# KiCad board SmallDSPMaxi.kicad_pcb (continued)
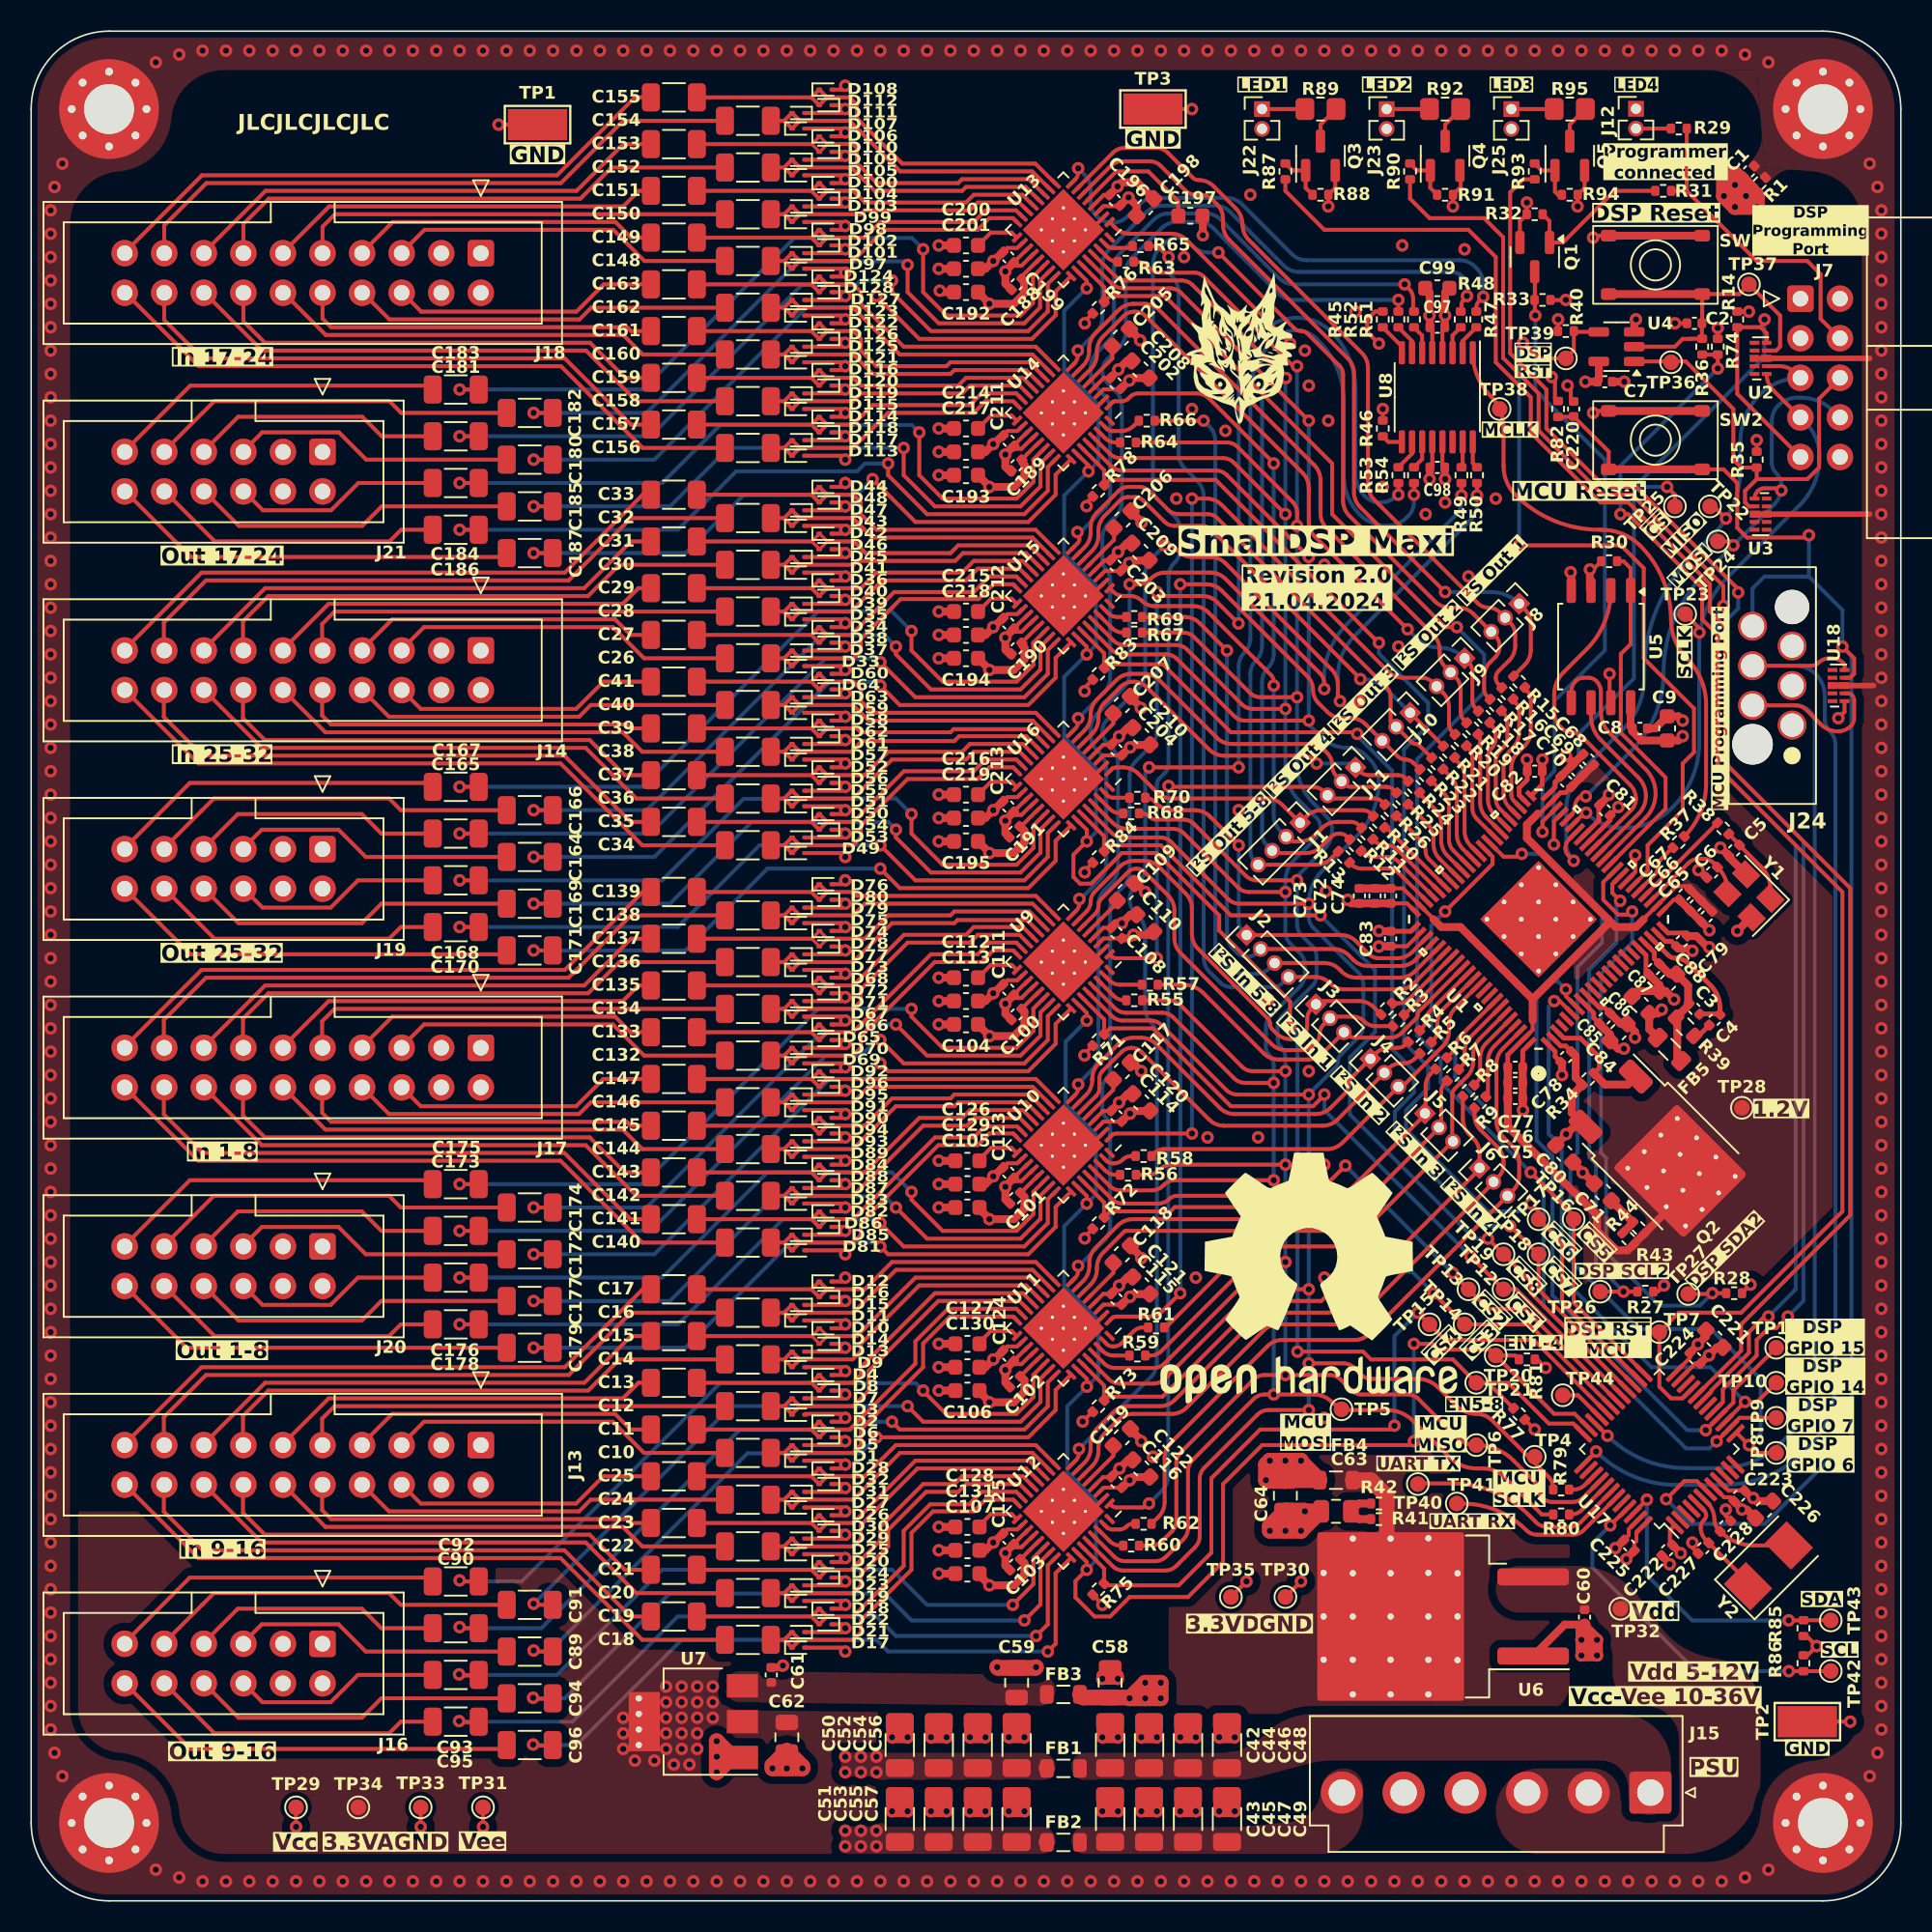
[diagram p0: board, top side]
## Nets (continued)
GND: C1.2 C2.2 C5.2 C6.2 C7.2 C8.2 C9.2 C42.2 C43.2 C44.2 C45.2 C46.2 C47.2 C48.2 C49.2 C50.2 C51.2 C52.2 C53.2 C54.2 C55.2 C56.2 C57.2 C58.2 C59.2 C60.2 C61.2 C62.2 C63.2 C64.2 C65.2 C66.2 C67.2 C68.2 C69.2 C70.2 C71.2 C72.2 C73.2 C74.2 C75.2 C76.2 C77.2 C78.2 C79.2 C80.2 C81.2 C82.2 C83.2 C84.2 C85.2 C86.2 C87.2 C88.2 C97.2 C98.2 C99.2 C100.2 C101.2 C102.2 C103.2 C104.2 C105.2 C106.2 C107.2 C108.2 C109.2 C110.2 C111.2 C112.2 C113.2 C114.2 C115.2 C116.2 C117.2 C118.2 C119.2 C120.2 C121.2 C122.2 C123.2 C124.2 C125.2 C126.2 C127.2 C128.2 C129.2 C130.2 C131.2 C188.2 C189.2 C190.2 C191.2 C192.2 C193.2 C194.2 C195.2 C196.2 C197.2 C198.2 C199.2 C200.2 C201.2 C202.2 C203.2 C204.2 C205.2 C206.2 C207.2 C208.2 C209.2 C210.2 C211.2 C212.2 C213.2 C214.2 C215.2 C216.2 C217.2 C218.2 C219.2 C220.1 C221.2 C222.1 C223.1 C224.1 C225.1 C226.2 C227.2 C228.2 D1.2 D2.2 D3.2 D4.2 D9.2 D10.2 D11.2 D12.2 D17.2 D18.2 D19.2 D20.2 D25.2 D26.2 D27.2 D28.2 D33.2 D34.2 D35.2 D36.2 D41.2 D42.2 D43.2 D44.2 D49.2 D50.2 D51.2 D52.2 D57.2 D58.2 D59.2 D60.2 D65.2 D66.2 D67.2 D68.2 D73.2 D74.2 D75.2 D76.2 D81.2 D82.2 D83.2 D84.2 D89.2 D90.2 D91.2 D92.2 D97.2 D98.2 D99.2 D100.2 D105.2 D106.2 D107.2 D108.2 D113.2 D114.2 D115.2 D116.2 D121.2 D122.2 D123.2 D124.2 J7.10 J12.1 J13.3 J13.4 J14.3 J14.4 J15.4 J15.5 J16.3 J16.4 J17.3 J17.4 J18.3 J18.4 J19.3 J19.4 J20.3 J20.4 J21.3 J21.4 J24.3 J24.5 Q1.2 Q3.2 Q4.2 Q5.2 R1.2 R32.1 R40.2 R74.2 R77.2 R81.2 R88.2 R91.2 R94.2 SW1.1 SW2.1 TP1.1 TP2.1 TP3.1 TP30.1 TP33.1 U1.1 U1.8 U1.18 U1.21 U1.23 U1.29 U1.36 U1.44 U1.45 U1.66 U1.67 U1.88 U1.EP U4.3 U5.4 U6.1 U7.1 U8.5 U8.12 U9.2 U9.4 U9.19 U9.20 U9.33 U10.2 U10.4 U10.19 U10.20 U10.33 U11.2 U11.4 U11.19 U11.20 U11.33 U12.2 U12.4 U12.19 U12.20 U12.33 U13.2 U13.4 U13.19 U13.20 U13.33 U14.2 U14.4 U14.19 U14.20 U14.33 U15.2 U15.4 U15.19 U15.20 U15.33 U16.2 U16.4 U16.19 U16.20 U16.33 U17.8 U17.23 U17.47 Y1.2 Y1.4
VCC: C50.1 C52.1 C54.1 C56.1 FB1.2 J13.2 J14.2 J16.2 J17.2 J18.2 J19.2 J20.2 J21.2 TP29.1
VEE: C51.1 C53.1 C55.1 C57.1 FB2.2 J13.1 J14.1 J16.1 J17.1 J18.1 J19.1 J20.1 J21.1 TP31.1
/Codecs 1-4/Analog Inputs1/In L1+: C132.1 J17.5
/Codecs 1-4/Analog Inputs1/In L1-: C133.1 J17.7
/Codecs 1-4/Analog Inputs1/In L2+: C136.1 J17.13
/Codecs 1-4/Analog Inputs1/In L2-: C137.1 J17.15
/Codecs 1-4/Analog Inputs1/In L3+: C140.1 J17.20
/Codecs 1-4/Analog Inputs1/In L3-: C141.1 J17.18
/Codecs 1-4/Analog Inputs1/In L4+: C144.1 J17.12
/Codecs 1-4/Analog Inputs1/In L4-: C145.1 J17.10
/Codecs 1-4/Analog Inputs1/In R1+: C134.1 J17.9
/Codecs 1-4/Analog Inputs1/In R1-: C135.1 J17.11
/Codecs 1-4/Analog Inputs1/In R2+: C138.1 J17.17
/Codecs 1-4/Analog Inputs1/In R2-: C139.1 J17.19
/Codecs 1-4/Analog Inputs1/In R3+: C142.1 J17.16
/Codecs 1-4/Analog Inputs1/In R3-: C143.1 J17.14
/Codecs 1-4/Analog Inputs1/In R4+: C146.1 J17.8
/Codecs 1-4/Analog Inputs1/In R4-: C147.1 J17.6
/Codecs 1-4/Analog Inputs2/In L1+: C10.1 J13.5
/Codecs 1-4/Analog Inputs2/In L1-: C11.1 J13.7
/Codecs 1-4/Analog Inputs2/In L2+: C14.1 J13.13
/Codecs 1-4/Analog Inputs2/In L2-: C15.1 J13.15
/Codecs 1-4/Analog Inputs2/In L3+: C18.1 J13.20
/Codecs 1-4/Analog Inputs2/In L3-: C19.1 J13.18
/Codecs 1-4/Analog Inputs2/In L4+: C22.1 J13.12
/Codecs 1-4/Analog Inputs2/In L4-: C23.1 J13.10
/Codecs 1-4/Analog Inputs2/In R1+: C12.1 J13.9
/Codecs 1-4/Analog Inputs2/In R1-: C13.1 J13.11
/Codecs 1-4/Analog Inputs2/In R2+: C16.1 J13.17
/Codecs 1-4/Analog Inputs2/In R2-: C17.1 J13.19
/Codecs 1-4/Analog Inputs2/In R3+: C20.1 J13.16
/Codecs 1-4/Analog Inputs2/In R3-: C21.1 J13.14
/Codecs 1-4/Analog Inputs2/In R4+: C24.1 J13.8
/Codecs 1-4/Analog Inputs2/In R4-: C25.1 J13.6
/Codecs 1-4/Analog Outputs1/Out L1: C175.1 J20.11
/Codecs 1-4/Analog Outputs1/Out L2: C173.1 J20.7
/Codecs 1-4/Analog Outputs1/Out L3: C176.1 J20.6
/Codecs 1-4/Analog Outputs1/Out L4: C178.1 J20.10
/Codecs 1-4/Analog Outputs1/Out R1: C174.1 J20.9
/Codecs 1-4/Analog Outputs1/Out R2: C172.1 J20.5
/Codecs 1-4/Analog Outputs1/Out R3: C177.1 J20.8
/Codecs 1-4/Analog Outputs1/Out R4: C179.1 J20.12
/Codecs 1-4/Analog Outputs2/Out L1: C92.1 J16.11
/Codecs 1-4/Analog Outputs2/Out L2: C90.1 J16.7
/Codecs 1-4/Analog Outputs2/Out L3: C93.1 J16.6
/Codecs 1-4/Analog Outputs2/Out L4: C95.1 J16.10
/Codecs 1-4/Analog Outputs2/Out R1: C91.1 J16.9
/Codecs 1-4/Analog Outputs2/Out R2: C89.1 J16.5
/Codecs 1-4/Analog Outputs2/Out R3: C94.1 J16.8
/Codecs 1-4/Analog Outputs2/Out R4: C96.1 J16.12
/Codecs 1-4/In L1+: C132.2 D65.1 D69.2 U9.16
/Codecs 1-4/In L1-: C133.2 D66.1 D70.2 U9.15
/Codecs 1-4/In L2+: C136.2 D73.1 D77.2 U9.12
/Codecs 1-4/In L2-: C137.2 D74.1 D78.2 U9.11
/Codecs 1-4/In L3+: C140.2 D81.1 D85.2 U10.16
/Codecs 1-4/In L3-: C141.2 D82.1 D86.2 U10.15
/Codecs 1-4/In L4+: C144.2 D89.1 D93.2 U10.12
/Codecs 1-4/In L4-: C145.2 D90.1 D94.2 U10.11
/Codecs 1-4/In L5+: C10.2 D1.1 D5.2 U11.16
/Codecs 1-4/In L5-: C11.2 D2.1 D6.2 U11.15
/Codecs 1-4/In L6+: C14.2 D9.1 D13.2 U11.12
/Codecs 1-4/In L6-: C15.2 D10.1 D14.2 U11.11
/Codecs 1-4/In L7+: C18.2 D17.1 D21.2 U12.16
/Codecs 1-4/In L7-: C19.2 D18.1 D22.2 U12.15
/Codecs 1-4/In L8+: C22.2 D25.1 D29.2 U12.12
/Codecs 1-4/In L8-: C23.2 D26.1 D30.2 U12.11
/Codecs 1-4/In R1+: C134.2 D67.1 D71.2 U9.14
/Codecs 1-4/In R1-: C135.2 D68.1 D72.2 U9.13
/Codecs 1-4/In R2+: C138.2 D75.1 D79.2 U9.10
/Codecs 1-4/In R2-: C139.2 D76.1 D80.2 U9.9
/Codecs 1-4/In R3+: C142.2 D83.1 D87.2 U10.14
/Codecs 1-4/In R3-: C143.2 D84.1 D88.2 U10.13
/Codecs 1-4/In R4+: C146.2 D91.1 D95.2 U10.10
/Codecs 1-4/In R4-: C147.2 D92.1 D96.2 U10.9
/Codecs 1-4/In R5+: C12.2 D3.1 D7.2 U11.14
/Codecs 1-4/In R5-: C13.2 D4.1 D8.2 U11.13
/Codecs 1-4/In R6+: C16.2 D11.1 D15.2 U11.10
/Codecs 1-4/In R6-: C17.2 D12.1 D16.2 U11.9
/Codecs 1-4/In R7+: C20.2 D19.1 D23.2 U12.14
/Codecs 1-4/In R7-: C21.2 D20.1 D24.2 U12.13
/Codecs 1-4/In R8+: C24.2 D27.1 D31.2 U12.10
/Codecs 1-4/In R8-: C25.2 D28.1 D32.2 U12.9
/Codecs 1-4/Out L1: C175.2 U9.22
/Codecs 1-4/Out L2: C173.2 U9.24
/Codecs 1-4/Out L3: C176.2 U10.22
/Codecs 1-4/Out L4: C178.2 U10.24
/Codecs 1-4/Out L5: C92.2 U11.22
/Codecs 1-4/Out L6: C90.2 U11.24
/Codecs 1-4/Out L7: C93.2 U12.22
/Codecs 1-4/Out L8: C95.2 U12.24
/Codecs 1-4/Out R1: C174.2 U9.23
/Codecs 1-4/Out R2: C172.2 U9.25
/Codecs 1-4/Out R3: C177.2 U10.23
/Codecs 1-4/Out R4: C179.2 U10.25
/Codecs 1-4/Out R5: C91.2 U11.23
/Codecs 1-4/Out R6: C89.2 U11.25
/Codecs 1-4/Out R7: C94.2 U12.23
/Codecs 1-4/Out R8: C96.2 U12.25
/Codecs 5-8/Analog Inputs1/In L1+: C148.1 J18.5
/Codecs 5-8/Analog Inputs1/In L1-: C149.1 J18.7
/Codecs 5-8/Analog Inputs1/In L2+: C152.1 J18.13
/Codecs 5-8/Analog Inputs1/In L2-: C153.1 J18.15
/Codecs 5-8/Analog Inputs1/In L3+: C156.1 J18.20
/Codecs 5-8/Analog Inputs1/In L3-: C157.1 J18.18
/Codecs 5-8/Analog Inputs1/In L4+: C160.1 J18.12
/Codecs 5-8/Analog Inputs1/In L4-: C161.1 J18.10
/Codecs 5-8/Analog Inputs1/In R1+: C150.1 J18.9
/Codecs 5-8/Analog Inputs1/In R1-: C151.1 J18.11
/Codecs 5-8/Analog Inputs1/In R2+: C154.1 J18.17
/Codecs 5-8/Analog Inputs1/In R2-: C155.1 J18.19
/Codecs 5-8/Analog Inputs1/In R3+: C158.1 J18.16
/Codecs 5-8/Analog Inputs1/In R3-: C159.1 J18.14
/Codecs 5-8/Analog Inputs1/In R4+: C162.1 J18.8
/Codecs 5-8/Analog Inputs1/In R4-: C163.1 J18.6
/Codecs 5-8/Analog Inputs2/In L1+: C26.1 J14.5
/Codecs 5-8/Analog Inputs2/In L1-: C27.1 J14.7
/Codecs 5-8/Analog Inputs2/In L2+: C30.1 J14.13
/Codecs 5-8/Analog Inputs2/In L2-: C31.1 J14.15
/Codecs 5-8/Analog Inputs2/In L3+: C34.1 J14.20
/Codecs 5-8/Analog Inputs2/In L3-: C35.1 J14.18
/Codecs 5-8/Analog Inputs2/In L4+: C38.1 J14.12
/Codecs 5-8/Analog Inputs2/In L4-: C39.1 J14.10
/Codecs 5-8/Analog Inputs2/In R1+: C28.1 J14.9
/Codecs 5-8/Analog Inputs2/In R1-: C29.1 J14.11
/Codecs 5-8/Analog Inputs2/In R2+: C32.1 J14.17
/Codecs 5-8/Analog Inputs2/In R2-: C33.1 J14.19
/Codecs 5-8/Analog Inputs2/In R3+: C36.1 J14.16
/Codecs 5-8/Analog Inputs2/In R3-: C37.1 J14.14
/Codecs 5-8/Analog Inputs2/In R4+: C40.1 J14.8
/Codecs 5-8/Analog Inputs2/In R4-: C41.1 J14.6
/Codecs 5-8/Analog Outputs1/Out L1: C183.1 J21.11
/Codecs 5-8/Analog Outputs1/Out L2: C181.1 J21.7
/Codecs 5-8/Analog Outputs1/Out L3: C184.1 J21.6
/Codecs 5-8/Analog Outputs1/Out L4: C186.1 J21.10
/Codecs 5-8/Analog Outputs1/Out R1: C182.1 J21.9
/Codecs 5-8/Analog Outputs1/Out R2: C180.1 J21.5
/Codecs 5-8/Analog Outputs1/Out R3: C185.1 J21.8
/Codecs 5-8/Analog Outputs1/Out R4: C187.1 J21.12
/Codecs 5-8/Analog Outputs2/Out L1: C167.1 J19.11
/Codecs 5-8/Analog Outputs2/Out L2: C165.1 J19.7
/Codecs 5-8/Analog Outputs2/Out L3: C168.1 J19.6
/Codecs 5-8/Analog Outputs2/Out L4: C170.1 J19.10
/Codecs 5-8/Analog Outputs2/Out R1: C166.1 J19.9
/Codecs 5-8/Analog Outputs2/Out R2: C164.1 J19.5
/Codecs 5-8/Analog Outputs2/Out R3: C169.1 J19.8
/Codecs 5-8/Analog Outputs2/Out R4: C171.1 J19.12
/Codecs 5-8/In L1+: C148.2 D97.1 D101.2 U13.16
/Codecs 5-8/In L1-: C149.2 D98.1 D102.2 U13.15
/Codecs 5-8/In L2+: C152.2 D105.1 D109.2 U13.12
/Codecs 5-8/In L2-: C153.2 D106.1 D110.2 U13.11
/Codecs 5-8/In L3+: C156.2 D113.1 D117.2 U14.16
/Codecs 5-8/In L3-: C157.2 D114.1 D118.2 U14.15
/Codecs 5-8/In L4+: C160.2 D121.1 D125.2 U14.12
/Codecs 5-8/In L4-: C161.2 D122.1 D126.2 U14.11
/Codecs 5-8/In L5+: C26.2 D33.1 D37.2 U15.16
/Codecs 5-8/In L5-: C27.2 D34.1 D38.2 U15.15
/Codecs 5-8/In L6+: C30.2 D41.1 D45.2 U15.12
/Codecs 5-8/In L6-: C31.2 D42.1 D46.2 U15.11
/Codecs 5-8/In L7+: C34.2 D49.1 D53.2 U16.16
/Codecs 5-8/In L7-: C35.2 D50.1 D54.2 U16.15
/Codecs 5-8/In L8+: C38.2 D57.1 D61.2 U16.12
/Codecs 5-8/In L8-: C39.2 D58.1 D62.2 U16.11
/Codecs 5-8/In R1+: C150.2 D99.1 D103.2 U13.14
/Codecs 5-8/In R1-: C151.2 D100.1 D104.2 U13.13
/Codecs 5-8/In R2+: C154.2 D107.1 D111.2 U13.10
/Codecs 5-8/In R2-: C155.2 D108.1 D112.2 U13.9
/Codecs 5-8/In R3+: C158.2 D115.1 D119.2 U14.14
/Codecs 5-8/In R3-: C159.2 D116.1 D120.2 U14.13
/Codecs 5-8/In R4+: C162.2 D123.1 D127.2 U14.10
/Codecs 5-8/In R4-: C163.2 D124.1 D128.2 U14.9
/Codecs 5-8/In R5+: C28.2 D35.1 D39.2 U15.14
/Codecs 5-8/In R5-: C29.2 D36.1 D40.2 U15.13
/Codecs 5-8/In R6+: C32.2 D43.1 D47.2 U15.10
/Codecs 5-8/In R6-: C33.2 D44.1 D48.2 U15.9
/Codecs 5-8/In R7+: C36.2 D51.1 D55.2 U16.14
/Codecs 5-8/In R7-: C37.2 D52.1 D56.2 U16.13
/Codecs 5-8/In R8+: C40.2 D59.1 D63.2 U16.10
/Codecs 5-8/In R8-: C41.2 D60.1 D64.2 U16.9
/Codecs 5-8/Out L1: C183.2 U13.22
/Codecs 5-8/Out L2: C181.2 U13.24
/Codecs 5-8/Out L3: C184.2 U14.22
/Codecs 5-8/Out L4: C186.2 U14.24
/Codecs 5-8/Out L5: C167.2 U15.22
/Codecs 5-8/Out L6: C165.2 U15.24
/Codecs 5-8/Out L7: C168.2 U16.22
/Codecs 5-8/Out L8: C170.2 U16.24
/Codecs 5-8/Out R1: C182.2 U13.23
/Codecs 5-8/Out R2: C180.2 U13.25
/Codecs 5-8/Out R3: C185.2 U14.23
/Codecs 5-8/Out R4: C187.2 U14.25
/Codecs 5-8/Out R5: C166.2 U15.23
/Codecs 5-8/Out R6: C164.2 U15.25
/Codecs 5-8/Out R7: C169.2 U16.23
/Codecs 5-8/Out R8: C171.2 U16.25
/DSP BCLK In 1: J3.1 R2.1 U9.7
/DSP BCLK In 2: J4.1 R4.1 U10.7
/DSP BCLK In 3: J5.1 R6.1 U11.7
/DSP BCLK In 4: J6.1 R8.1 U12.7
/DSP BCLK Out 1: J8.2 R16.2 U13.7
/DSP BCLK Out 2: J9.2 R19.2 U14.7
/DSP BCLK Out 3: J10.2 R22.2 U15.7
/DSP BCLK Out 4: J11.2 R25.2 U16.7
/DSP GPIO6: TP8.1 U1.53 U17.13
/DSP GPIO7: TP9.1 U1.54 U17.14
/DSP GPIO14: TP10.1 U1.6 U17.15
/DSP GPIO15: TP11.1 U1.7 U17.16
/DSP I²S SDI 1: J3.3 R57.2 U1.75
/DSP I²S SDI 2: J4.3 R58.2 U1.78
/DSP I²S SDI 3: J5.3 R61.2 U1.83
/DSP I²S SDI 4: J6.3 R62.2 U1.86
/DSP I²S SDI 5: J2.4 R65.2 U1.72
/DSP I²S SDI 6: J2.3 R66.2 U1.71
/DSP I²S SDI 7: J2.2 R69.2 U1.70
/DSP I²S SDI 8: J2.1 R70.2 U1.69
/DSP I²S SDO 1: J8.3 R17.2 U9.1
/DSP I²S SDO 2: J9.3 R20.2 U10.1
/DSP I²S SDO 3: J10.3 R23.2 U11.1
/DSP I²S SDO 4: J11.3 R26.2 U12.1
/DSP I²S SDO 5: J1.4 R13.1 U13.1
/DSP I²S SDO 6: J1.3 R12.1 U14.1
/DSP I²S SDO 7: J1.2 R11.1 U15.1
/DSP I²S SDO 8: J1.1 R10.1 U16.1
/DSP LRCK In 1: J3.2 R3.1 U9.6
/DSP LRCK In 2: J4.2 R5.1 U10.6
/DSP LRCK In 3: J5.2 R7.1 U11.6
/DSP LRCK In 4: J6.2 R9.1 U12.6
/DSP LRCK Out 1: J8.1 R15.2 U13.6
/DSP LRCK Out 2: J9.1 R18.2 U14.6
/DSP LRCK Out 3: J10.1 R21.2 U15.6
/DSP LRCK Out 4: J11.1 R24.2 U16.6
/DSP MCLK: R37.2 TP38.1 U8.1
/DSP MISO: U1.35 U5.2
/DSP MOSI: U1.33 U5.5
/DSP SCLK: U1.34 U5.6
/EN Codec 1-4: R81.1 TP20.1 U9.26 U10.26 U11.26 U12.26 U17.35
/EN Codec 5-8: R77.1 TP21.1 U13.26 U14.26 U15.26 U16.26 U17.36
/MCLK 1: R49.2 U9.8
/MCLK 2: R50.2 U10.8
/MCLK 3: R53.2 U11.8
/MCLK 4: R54.2 U12.8
/MCLK 5: R47.2 U13.8
/MCLK 6: R48.2 U14.8
/MCLK 7: R51.2 U15.8
/MCLK 8: R52.2 U16.8
/MCU MISO: R55.1 R56.1 R59.1 R60.1 R63.1 R64.1 R67.1 R68.1 TP6.1 U17.40
/MCU MOSI: R80.1 TP5.1 U9.29 U10.29 U11.29 U12.29 U13.29 U14.29 U15.29 U16.29
/MCU SCLK: R79.1 TP4.1 U9.28 U10.28 U11.28 U12.28 U13.28 U14.28 U15.28 U16.28
/MCU/LED1: R87.1 U17.20
/MCU/LED2: R90.1 U17.19
/MCU/LED3: R93.1 U17.17
/MCU/SCL: R86.2 TP42.1 U17.45
/MCU/SDA: R85.2 TP43.1 U17.46
/MCU/SWCLK: J24.4 U17.37 U18.5
/MCU/SWDIO: J24.2 U17.34 U18.2
/MCU/~{RST}: C220.2 J24.6 R82.2 SW2.2 U17.7 U18.4
/PRGM MISO: J7.5 TP22.1 U1.38 U2.2
/PRGM MOSI: J7.8 TP24.1 U1.40 U3.1
/PRGM SCLK: J7.7 TP23.1 U1.39 U2.1
/~{CS Codec 1}: R71.2 TP12.1 U9.27 U17.29
/~{CS Codec 2}: R72.2 TP13.1 U10.27 U17.30
/~{CS Codec 3}: R73.2 TP14.1 U11.27 U17.31
/~{CS Codec 4}: R75.2 TP15.1 U12.27 U17.32
/~{CS Codec 5}: R76.2 TP16.1 U13.27 U17.25
/~{CS Codec 6}: R78.2 TP17.1 U14.27 U17.26
/~{CS Codec 7}: R83.2 TP18.1 U15.27 U17.27
/~{CS Codec 8}: R84.2 TP19.1 U16.27 U17.28
/~{CS EEPROM}: R30.2 U1.32 U5.1
/~{DSP RST MCU}: R36.1 R74.1 TP7.1 U17.21
/~{DSP RST PGRM}: J7.6 R35.1 TP36.1 U3.2 U4.1
/~{DSP RST}: R40.1 TP39.1 U1.28 U4.4
/~{PRGM CS}: J7.9 R14.2 TP25.1 U1.41 U2.5
Earth_Protective: C1.1 H1.1 H2.1 H3.1 H4.1 R1.1 U2.3 U2.8 U3.3 U3.8 U18.3 U18.8
Net-(C2-Pad1): C2.1 R36.2 SW1.2 TP37.1 U2.4 U4.2
Net-(C4-Pad2): C4.2 R39.1
Net-(C5-Pad1): C5.1 R38.2 Y1.1
Net-(C63-Pad1): C63.1 R41.2 R42.2
Net-(C71-Pad1): C71.1 R43.2 R44.2
Net-(J12-Pin_2): J12.2 R29.2
Net-(J22-Pin_1): J22.1 R89.1
Net-(J23-Pin_1): J23.1 R92.1
Net-(J25-Pin_1): J25.1 R95.1
Net-(Q1-D): Q1.3 R33.2 U1.42
Net-(Q1-G): Q1.1 R31.1 R32.2
Net-(Q2-B): Q2.1 R34.2 U1.3
Net-(Q3-D): Q3.3 R89.2
Net-(Q3-G): Q3.1 R87.2 R88.1
Net-(Q4-D): Q4.3 R92.2
Net-(Q4-G): Q4.1 R90.2 R91.1
Net-(Q5-D): Q5.3 R95.2
Net-(Q5-G): Q5.1 R93.2 R94.1
Net-(U1A-MCLK_Out): R37.1 U1.27
Net-(U1A-PLLFlt): C3.2 C4.1 U1.20
Net-(U1A-Xtal_In): C6.1 U1.25 Y1.3
Net-(U1A-Xtal_Out): R38.1 U1.26
Net-(U1B-M_SCL2): R27.2 TP26.1 U1.30
Net-(U1B-M_SDA2): R28.2 TP27.1 U1.31
Net-(U1C-BCLK_In0): R2.2 U1.73
Net-(U1C-BCLK_In1): R4.2 U1.76
Net-(U1C-BCLK_In2): R6.2 U1.81
Net-(U1C-BCLK_In3): R8.2 U1.84
Net-(U1C-BCLK_Out0): R16.1 U1.48
Net-(U1C-BCLK_Out1): R19.1 U1.51
Net-(U1C-BCLK_Out2): R22.1 U1.56
Net-(U1C-BCLK_Out3): R25.1 U1.59
Net-(U1C-LRCK_In0): R3.2 U1.74
Net-(U1C-LRCK_In1): R5.2 U1.77
Net-(U1C-LRCK_In2): R7.2 U1.82
Net-(U1C-LRCK_In3): R9.2 U1.85
Net-(U1C-LRCK_Out0): R15.1 U1.47
Net-(U1C-LRCK_Out1): R18.1 U1.50
Net-(U1C-LRCK_Out2): R21.1 U1.55
Net-(U1C-LRCK_Out3): R24.1 U1.58
Net-(U1C-SDATA_IO4): R13.2 U1.64
Net-(U1C-SDATA_IO5): R12.2 U1.63
Net-(U1C-SDATA_IO6): R11.2 U1.62
Net-(U1C-SDATA_IO7): R10.2 U1.61
Net-(U1C-SDATA_Out0): R17.1 U1.49
Net-(U1C-SDATA_Out1): R20.1 U1.52
Net-(U1C-SDATA_Out2): R23.1 U1.57
Net-(U1C-SDATA_Out3): R26.1 U1.60
Net-(U6-OUT): FB4.1 R41.1 R42.1 U6.2
Net-(U7-VI): C59.1 C61.1 FB3.2 U7.3
Net-(U8-CLK_A1): R47.1 U8.2
Net-(U8-CLK_A2): R48.1 U8.3
Net-(U8-CLK_A4): R49.1 U8.15
Net-(U8-CLK_B1): R51.1 U8.6
Net-(U8-CLK_B2): R52.1 U8.7
Net-(U8-CLK_B3): R53.1 U8.10
Net-(U8-CLK_B4): R54.1 U8.11
Net-(U8-CLK_Out): R50.1 U8.16
Net-(U8-S1): R46.2 U8.9
Net-(U8-S2): R45.2 U8.8
Net-(U9B-SDA): R55.2 U9.30
Net-(U9B-SDO_1): R57.1 U9.31
Net-(U9C-LDO_Bypass): C109.1 U9.5
Net-(U9C-Vcom): C112.1 U9.17
Net-(U10B-SDA): R56.2 U10.30
Net-(U10B-SDO_1): R58.1 U10.31
Net-(U10C-LDO_Bypass): C117.1 U10.5
Net-(U10C-Vcom): C126.1 U10.17
Net-(U11B-SDA): R59.2 U11.30
Net-(U11B-SDO_1): R61.1 U11.31
Net-(U11C-LDO_Bypass): C118.1 U11.5
Net-(U11C-Vcom): C127.1 U11.17
Net-(U12B-SDA): R60.2 U12.30
Net-(U12B-SDO_1): R62.1 U12.31
Net-(U12C-LDO_Bypass): C119.1 U12.5
Net-(U12C-Vcom): C128.1 U12.17
Net-(U13B-SDA): R63.2 U13.30
Net-(U13B-SDO_1): R65.1 U13.31
Net-(U13C-LDO_Bypass): C197.1 U13.5
Net-(U13C-Vcom): C200.1 U13.17
Net-(U14B-SDA): R64.2 U14.30
Net-(U14B-SDO_1): R66.1 U14.31
Net-(U14C-LDO_Bypass): C205.1 U14.5
Net-(U14C-Vcom): C214.1 U14.17
Net-(U15B-SDA): R67.2 U15.30
Net-(U15B-SDO_1): R69.1 U15.31
Net-(U15C-LDO_Bypass): C206.1 U15.5
Net-(U15C-Vcom): C215.1 U15.17
Net-(U16B-SDA): R68.2 U16.30
Net-(U16B-SDO_1): R70.1 U16.31
Net-(U16C-LDO_Bypass): C207.1 U16.5
Net-(U16C-Vcom): C216.1 U16.17
Net-(U17-PA12/USART1_RTS): TP44.1 U17.33
Net-(U17-PB3/SPI1_SCLK): R79.2 U17.39
Net-(U17-PB5/SPI1_MOSI): R80.2 U17.41
Net-(U17-PB6/USART1_TX): TP40.1 U17.42
Net-(U17-PB7/USART1_RX): TP41.1 U17.43
Net-(U17-PF0/XTAL_In): C227.1 U17.5 Y2.1
Net-(U17-PF1/XTAL_Out): C228.1 U17.6 Y2.2

Pads without a net: J7 1 2 3; U1 4 5 10 11 12 13 14 15 16 17 79 80; U2 6 7 9 10; U3 4 5 6 7 9 10; U8 14; U9 32; U10 32; U11 32; U12 32; U13 32; U14 32; U15 32; U16 32; U17 2 3 4 10 11 12 18 22 38 44; U18 6 7 9 10

## Via types
v1: diameter 0.8, hole 0.4, Top to Bottom, 838 vias

## Routing (per net, layer and track width the routed paths; a pad name or vN(x,y) marks a point on that pad's centre or on a via; arc(x,y) is an arc through that point)
+1V2: length 68.4
  Top w0.25: 103.5,63 103.5,63.03 U1.24 105.59,65.12 106.27,65.12 C67.1 ; C74.1 88.05,64.98 U1.65 90,63.03 90,63 ; 96.37,57 96.37,55.9 U1.87 ; U1.43 96.82,69.79 96.71,69.79
  Top w0.3: C77.1 94.77,54.3 U1.87 ; C70.1 98.49,71.13 98.16,71.13 U1.43
  Top w0.5: 101.2,63 96,68.2 96,69.07 96.71,69.79 ; 101.2,63 101.7,62.5 103,62.5 103.5,63 ; 101.2,63 101.2,62.7 96.37,57.87 ; C72.1 C73.1 C74.1 ; R43.1 102.47,41.75 101.75,41.75 100.5,43 100.5,44 94.77,49.73 C75.1 C76.1 C77.1 ; 105,44.3 R44.1 102.86,42.16 ; C67.1 C66.1 C65.1 ; 100.27,72.91 C69.1 C70.1 ; 90,63 90.5,62.5 91.74,62.5 96.37,57.87 ; 96.37,56.5 96.37,57.87
+3V3: length 124.5
  Top w0.25: R78.1 67.74,89.74 v1(67.74,89.51) ; 69.99,73.52 68.83,73.52 U16.3 ; 69.99,50.02 68.83,50.02 U10.3 ; U1.68 88.3,61.27 C83.1 ; R75.1 68.75,19.03 v1(68.75,19) ; v1(67.62,42.52) 67.62,42.62 R72.1 ; R35.2 v1(110.75,93.75) ; C222.2 105.18,23 105.18,23.79 U17.1 ; 69.99,38.27 68.83,38.27 U11.3 ; U17.48 103.03,23.64 103.03,23.11 102.89,22.98 C225.2 ; C224.2 106.46,34.85 U17.24 ; R45.1 86.26,102.01 85.75,101.5 85.75,100.7 v1(86.5,99.95) ; 69.75,108.77 68.83,108.77 U13.3 ; v1(110.35,39.55) 109.81,39.01 R28.1 ; R71.1 67.6,54.35 v1(67.6,54.26) ; U14.3 68.83,97.02 69.9,97.02 ; R76.1 67.62,101.37 v1(67.62,101.25) ; v1(97.59,97.8) 97.8,97.59 97.8,96.46 R82.1 ; v1(101.31,78.75) 101.31,77.04 101.38,76.96 ; 113.81,15.76 R86.1 114.01,15.76 v1(114.6,16.35) 113.96,16.99 R85.1 ; 109.95,26.35 108.92,26.35 U17.9 ; 69.99,26.52 68.83,26.52 U12.3 ; v1(110.25,102) 110.24,102.01 R14.1 ; 69.99,61.77 68.83,61.77 U9.3 ; R46.1 v1(86.75,95.75) ; v1(67.61,77.64) 67.61,77.86 R83.1 ; U18.1 116.39,76.31 v1(115.99,75.91) ; v1(104.8,39.5) 104.4,39.1 R27.1 ; TP35.1 v1(78,20.5) ; 69.83,85.36 69.05,85.36 69.04,85.36 68.92,85.36 U15.3 ; U8.4 90.57,100.85 ; v1(98.5,102.75) 98.49,102.74 97.5,102.74 ; R84.1 67.62,66.12 v1(67.62,66.01) ; U8.13 90.57,92.15 ; R30.1 100.24,85.45 v1(100.04,85.45) ; v1(67.49,30.76) 68.11,31.39
  Top w0.3: C81.1 100.61,70.29 100.61,69.33 U1.37 ; C82.1 96.02,71.95 95.5,71.43 95.5,70.97 U1.46 ; U1.9 100.64,57.34 100.96,57.34 C85.1 ; U1.22 105.06,62.12 106.09,62.12 C79.1 ; C78.1 98.49,54.87 98.16,54.87 U1.2
  Top w0.5: C78.1 99.13,54.23 99.13,52.83 R34.1 98.87,51.69 98.87,50.58 Q2.3 99.03,49.69 98.55,49.21 v1(98.52,49.21) 98.52,49.18 C80.1 ; C196.1 70.41,109.33 v1(70.43,109.33) 70.95,108.81 C198.1 ; 69.98,50.01 70.5,50.53 ; 69.98,38.26 70.5,38.78 v1(70.53,38.78) 70.69,38.94 71.78,38.94 ; C223.2 110.44,25.86 v1(110.53,25.86) 110.73,25.66 C226.1 ; C221.1 107.49,36.23 v1(106.97,35.72) 106.97,35.69 C224.2 ; v1(96,73.25) 96.02,73.23 C82.1 ; 71.72,86.02 70.63,86.02 v1(70.47,85.86) 70.44,85.86 69.93,85.35 ; v1(102.38,21.93) 102.38,21.96 C225.2 ; FB5.1 103.85,55.95 C86.1 104.4,56.95 v1(104.65,57.2) ; v1(102.94,55.4) 102.94,55.79 C84.1 102.01,56.3 C85.1 ; v1(100.04,85.45) 100.04,84.17 U5.3 ; v1(70.53,50.53) 70.69,50.69 71.78,50.69 ; C79.1 106.88,61.93 107.6,61.2 v1(107.7,61.2) ; 71.78,74.19 70.69,74.19 v1(70.53,74.03) 70.5,74.03 69.98,73.51 ; C99.1 90.75,103.22 v1(90.75,101.75) 90.73,101.73 C97.1 ; 70.04,26.53 v1(70.5,26.99) 70.71,27.2 C122.1 ; v1(101.27,71) 101.27,70.94 C81.1 ; U5.8 102.66,75.36 C8.1 102.77,75.06 103.36,74.47 C9.1 105.72,74.47 v1(106,74.75) ; U4.5 100.61,97.59 C7.1 v1(99.75,97.5) ; C202.1 70.46,97.58 v1(70.48,97.58) 70.64,97.74 C208.1 ; v1(86.5,61.25) 86.52,61.27 C83.1 ; C110.1 71.85,62 v1(70.75,62) 70.53,61.78 C108.1 ; C98.1 90.73,91.27 v1(90.75,91.25) ; v1(105.87,22.31) C222.2
  Top w1: C64.1 79.5,27.95 v1(79.5,28.25) ; C64.1 80.55,27 FB4.2 81.5,28.19 v1(81.5,28.25) ; C64.1 79.3,26.95 v1(79.25,27) 79.25,28 v1(79.5,28.25) ; C64.1 81.5,27.95 v1(81.5,28.25) ; C64.1 v1(80.5,28.25) ; v1(79.5,28.25) v1(80.5,28.25) ; v1(80.5,28.25) v1(81.5,28.25)
+3V3A: length 192.8
  Top w0.25: D15.1 52,38.25 v1(52.25,38.5) 52,38.75 D16.1 ; 64.66,81.84 63.56,80.74 ; D13.1 52,35.25 v1(52.25,35.5) 52,35.75 D14.1 ; D117.1 52,93.75 v1(52.25,94) 52,94.25 D118.1 ; 63.6,106.4 63.28,106.08 62.65,106.08 62.36,105.8 ; D102.1 52,106.25 v1(52.25,106) 52,105.75 D101.1 ; 62.36,47.05 62.65,47.33 63.28,47.33 63.6,47.65 ; D112.1 52,115.25 v1(52.25,115) 52,114.75 D111.1 ; D93.1 52,48.75 v1(52.25,49) 52,49.25 D94.1 ; D104.1 52,109.25 v1(52.25,109) 52,108.75 D103.1 ; D64.1 52,77.75 v1(52.25,77.5) 52,77.25 D63.1 ; 63.6,59.4 63.28,59.08 62.65,59.08 62.36,58.8 ; D38.1 52,80.75 v1(52.25,80.5) 52,80.25 D37.1 ; 63.6,35.9 63.28,35.58 62.65,35.58 62.36,35.3 ; D7.1 52,32.25 v1(52.25,32.5) 52,32.75 D8.1 ; 62.36,70.55 62.65,70.83 63.28,70.83 63.6,71.15 ; D78.1 52,61.25 v1(52.25,61) 52,60.75 D77.1 ; D87.1 52,45.75 v1(52.25,46) 52,46.25 D88.1 ; D79.1 52,63.75 v1(52.25,64) 52,64.25 D80.1 ; D24.1 52,20.75 v1(52.25,20.5) 52,20.25 D23.1 ; 62.36,23.55 62.65,23.83 63.28,23.83 63.6,24.15 ; D54.1 52,68.75 v1(52.25,68.5) 52,68.25 D53.1 ; D69.1 52,54.75 v1(52.25,55) 52,55.25 D70.1 ; D29.1 52,23.25 v1(52.25,23.5) 52,23.75 D30.1 ; D120.1 52,97.25 v1(52.25,97) 52,96.75 D119.1 ; D61.1 52,74.25 v1(52.25,74.5) 52,74.75 D62.1 ; D21.1 52,17.25 v1(52.25,17.5) 52,17.75 D22.1 ; D96.1 52,52.25 v1(52.25,52) 52,51.75 D95.1 ; D86.1 52,43.25 v1(52.25,43) 52,42.75 D85.1 ; D72.1 52,58.25 v1(52.25,58) 52,57.75 D71.1 ; 64.66,105.34 63.56,104.24 ; D47.1 52,89.25 v1(52.25,89.5) 52,89.75 D48.1 ; 64.66,70.09 63.56,68.99 ; 63.6,82.9 63.28,82.58 62.65,82.58 62.36,82.3 ; D125.1 52,99.75 v1(52.25,100) 52,100.25 D126.1 ; D31.1 52,26.25 v1(52.25,26.5) 52,26.75 D32.1 ; D5.1 52,29.25 v1(52.25,29.5) 52,29.75 D6.1 ; 64.66,46.59 63.56,45.49 ; D110.1 52,112.25 v1(52.25,112) 52,111.75 D109.1 ; D56.1 52,71.75 v1(52.25,71.5) 52,71.25 D55.1 ; 64.66,34.84 63.56,33.74 ; D46.1 52,86.75 v1(52.25,86.5) 52,86.25 D45.1 ; D40.1 52,83.75 v1(52.25,83.5) 52,83.25 D39.1 ; 62.36,94.05 62.65,94.33 63.28,94.33 63.6,94.65 ; 64.66,93.59 63.56,92.49 ; 64.66,58.34 63.56,57.24 ; 64.66,23.09 63.56,21.99 ; D128.1 52,103.25 v1(52.25,103) 52,102.75 D127.1
  Top w0.5: C188.1 63.72,103.96 63.72,103.14 63.07,102.5 v1(61.5,102.5) C192.1 ; 63.59,21.84 63.75,21.68 63.75,20.93 63.07,20.25 v1(61.5,20.25) 60.78,21 ; 62.36,35.3 61.81,34.75 v1(61.75,34.75) 61.25,34.25 60.77,34.25 ; 62.36,47.05 v1(61.75,46.5) 61.25,46 60.77,46 ; 63.59,68.84 63.75,68.68 63.75,67.93 63.07,67.25 v1(61.5,67.25) 61.5,67.27 C195.1 ; 60.77,44.5 61.5,43.77 v1(61.5,43.75) 63.07,43.75 63.75,44.43 63.75,45.18 63.59,45.34 ; C217.1 61.25,93 v1(61.75,93.5) 62.36,94.05 ; C193.1 61.5,90.78 v1(61.5,90.75) 63.07,90.75 63.75,91.43 63.75,92.18 63.59,92.34 ; C201.1 61.25,104.75 v1(61.75,105.25) 62.36,105.8 ; C219.1 61.25,69.5 v1(61.75,70) 62.36,70.55 ; 63.59,80.59 63.75,80.43 63.75,79.68 63.07,79 v1(61.5,79) 61.5,79.03 C194.1 ; 62.36,82.3 v1(61.75,81.75) 61.25,81.25 C218.1 ; 62.36,58.8 v1(61.75,58.25) 61.25,57.75 60.77,57.75 ; C100.1 63.75,57.06 63.75,56.18 63.07,55.5 v1(61.5,55.5) 60.77,56.25 ; 60.77,32.75 61.5,32.02 v1(61.5,32) 63.07,32 63.75,32.68 63.75,33.43 63.59,33.59 ; 62.36,23.55 v1(61.75,23) 61.25,22.5 60.78,22.5
  vias: v1(38,11.75) v1(38,10.75) v1(38,9.75) v1(38.75,9) v1(40,9) v1(40.75,13.75) v1(40.75,12.75) v1(40.75,11.75) v1(40.75,10.75) v1(40.75,9.75) v1(41.25,8.75) v1(41.75,13.75) v1(41.75,12.75) v1(41.75,11.75) v1(41.75,10.75) v1(41.75,9.75) v1(42.25,8.75) v1(42.75,13.75) v1(42.75,12.75) v1(42.75,11.75) v1(42.75,10.75) v1(42.75,9.75) v1(43.75,13.75) v1(43.75,12.75) v1(43.75,11.75)
+3V3P: length 9.4
  Top w0.3: C87.1 104.17,60.47 104.17,60.88 U1.19
  Top w0.5: C87.1 105.16,59.48 C88.1 106.35,58.74 106.35,57.65 C3.1 106.41,57.53 R39.2 ; FB5.2 105.65,54.15 105.65,56.6
+5V: length 9.7
  Top w1: v1(71.5,13) v1(72.5,13) v1(72.5,14) v1(71.5,14) ; v1(71.5,13) v1(71.5,14) ; v1(71.5,13) v1(70.5,13) ; v1(71.5,14) v1(70.5,13) ; v1(70.5,13) 70.45,13.05 C58.1 67.51,13.05 FB3.1
+5VUSB: length 20.4
  Top w0.25: 106.26,109.74 106.01,109.74 106,109.75 R31.2 ; 106.26,109.74 110.75,105.25 114,105.25 114.85,104.4 114.85,101.53 J7.4 ; 106.26,109.74 R29.1
GND: length 482.9
  Top w0.25: D44.2 52,90.75 v1(52.25,91) ; 63.04,46.37 63.22,46.2 63.56,46.2 64.31,46.94 ; 63.95,35.55 63.04,34.64 ; D50.2 52,69.75 v1(52.25,70) 52,70.25 D51.2 ; U8.12 89.93,92.15 ; D122.2 52,101.25 v1(52.25,101.5) 52,101.75 D123.2 ; 64.31,23.44 63.56,22.7 63.22,22.7 63.04,22.87 ; D68.2 52,59.25 v1(52.25,59.5) 52,59.75 D73.2 ; U8.5 89.93,100.85 ; U11.2 68.02,36.75 ; v1(99.25,108.75) 99.26,108.76 R94.2 99.7,109.94 Q5.2 ; D75.2 52,62.75 v1(52.25,62.5) 52,62.25 D74.2 ; TP30.1 v1(81.5,20.5) ; 63.95,23.8 63.04,22.89 ; D4.2 52,33.75 v1(52.25,34) 52,34.25 D9.2 ; v1(97.21,34.21) 96.66,34.75 R81.2 ; D10.2 52,36.75 v1(52.25,37) 52,37.25 D11.2 ; TP3.1 v1(74.5,115) ; v1(98.61,97.26) 98.82,97.05 98.82,96.41 C220.1 ; v1(100.25,95.5) 100.38,95.62 SW2.1 ; U15.2 68.02,83.75 ; D89.2 52,47.75 v1(52.25,47.5) 52,47.25 D84.2 ; 69.31,27.19 68.8,27.19 U12.4 ; D2.2 52,30.75 v1(52.25,31) 52,31.25 49.67,31.25 ; C202.2 68.84,97.74 U14.4 ; v1(52.25,65.5) 52,65.25 D76.2 ; v1(52.25,40) 52,39.75 D12.2 ; TP1.1 v1(30,114) ; C2.2 v1(105.5,101.25) ; D20.2 52,21.75 v1(52.25,22) 52,22.25 D25.2 ; D98.2 52,107.25 v1(52.25,107.5) 52,107.75 D99.2 ; D1.2 52,28.25 v1(52.25,28) 52,27.75 D28.2 ; U1.66 88.31,64.02 C74.2 ; 91.7,110.45 91.75,110.4 91.75,109.99 R91.2 91.26,108.76 v1(91.25,108.75) ; D43.2 52,88.25 v1(52.25,88) 52,87.75 D42.2 ; Q1.2 95.55,107.81 R32.1 95.99,108.99 ; U17.47 102.54,23.86 102.54,23.47 C225.1 ; 83.7,110.7 83.7,109.94 83.27,109.51 ; U17.23 106.81,34.49 C224.1 ; v1(106.62,22.99) 106.62,22.66 C227.2 ; TP33.1 v1(25,4.75) ; 69.15,86.03 68.88,86.03 U15.4 ; U12.2 68.02,25 ; U10.2 68.02,48.5 ; D116.2 52,98.25 v1(52.25,98.5) 52,98.75 D121.2 ; U9.2 68.02,60.25 ; 69.31,50.69 68.8,50.69 U10.4 ; D60.2 52,78.75 v1(52.25,79) 52,79.25 D33.2 ; 64.31,70.44 63.56,69.7 63.22,69.7 63.04,69.87 ; 63.04,93.37 63.22,93.2 63.56,93.2 64.31,93.94 ; D52.2 52,72.75 v1(52.25,73) 52,73.25 D57.2 ; D58.2 52,75.75 v1(52.25,76) 52,76.25 D59.2 ; C115.2 68.81,38.96 U11.4 ; 63.95,59.05 63.04,58.14 ; D83.2 52,44.75 v1(52.25,44.5) 52,44.25 D82.2 ; v1(52.25,67) 52,67.25 D49.2 ; 63.95,106.05 63.04,105.14 ; TP2.1 v1(116.75,11.5) ; 63.95,70.8 63.04,69.89 ; C228.2 108.76,24.71 v1(108.76,25.11) ; D90.2 52,50.25 v1(52.25,50.5) 52,50.75 D91.2 ; D92.2 52,53.25 v1(52.25,53.5) 52,53.75 D65.2 ; 63.95,94.3 63.04,93.39 ; D97.2 52,104.75 v1(52.25,104.5) 52,104.25 D124.2 ; D114.2 52,95.25 v1(52.25,95.5) 52,95.75 D115.2 ; v1(98,101.5) 97.99,101.49 R40.2 ; U14.2 68.02,95.5 ; D113.2 52,92.75 v1(52.25,92.5) ; U13.4 68.84,109.49 C196.2 ; D81.2 52,41.75 v1(52.25,41.5) ; U13.2 68.02,107.25 ; D34.2 52,81.75 v1(52.25,82) 52,82.25 D35.2 ; D106.2 52,113.25 v1(52.25,113.5) 52,113.75 D107.2 ; 64.31,82.19 63.56,81.45 63.22,81.45 63.04,81.62 ; SW1.1 100.38,106.88 v1(100.25,106.75) ; 63.04,105.12 63.22,104.95 63.56,104.95 64.31,105.69 ; C204.2 68.81,74.21 U16.4 ; v1(96.5,30.25) R77.2 ; D67.2 52,56.75 v1(52.25,56.5) 52,56.25 D66.2 ; 95.99,108.74 96,108.75 ; D26.2 52,24.75 v1(52.25,25) 52,25.25 D27.2 ; U17.8 108.66,25.9 109.04,25.9 C223.1 ; U1.23 105.43,64.25 C67.2 ; U1.29 102.95,66.02 v1(102.95,67.11) ; 63.04,34.62 63.22,34.45 63.56,34.45 64.31,35.19 ; D18.2 52,18.75 v1(52.25,19) 52,19.25 D19.2 ; R74.2 v1(108.25,100.95) ; 63.04,58.12 63.22,57.95 63.56,57.95 64.31,58.69 ; D17.2 52,16.25 v1(52.25,16) ; D105.2 52,110.75 v1(52.25,110.5) 52,110.25 D100.2 ; U9.4 68.81,62.46 C108.2 ; v1(83.25,108.75) 83.26,108.76 R88.2 ; U16.2 68.02,72 ; 63.95,82.55 63.04,81.64 ; D36.2 52,84.75 v1(52.25,85) 52,85.25 D41.2 ; v1(52.25,116.5) 52,116.25 D108.2 ; 63.95,47.3 63.04,46.39